# Altium PCB CubeSat Backplane.PcbDoc (part 2 of 4) (continued)
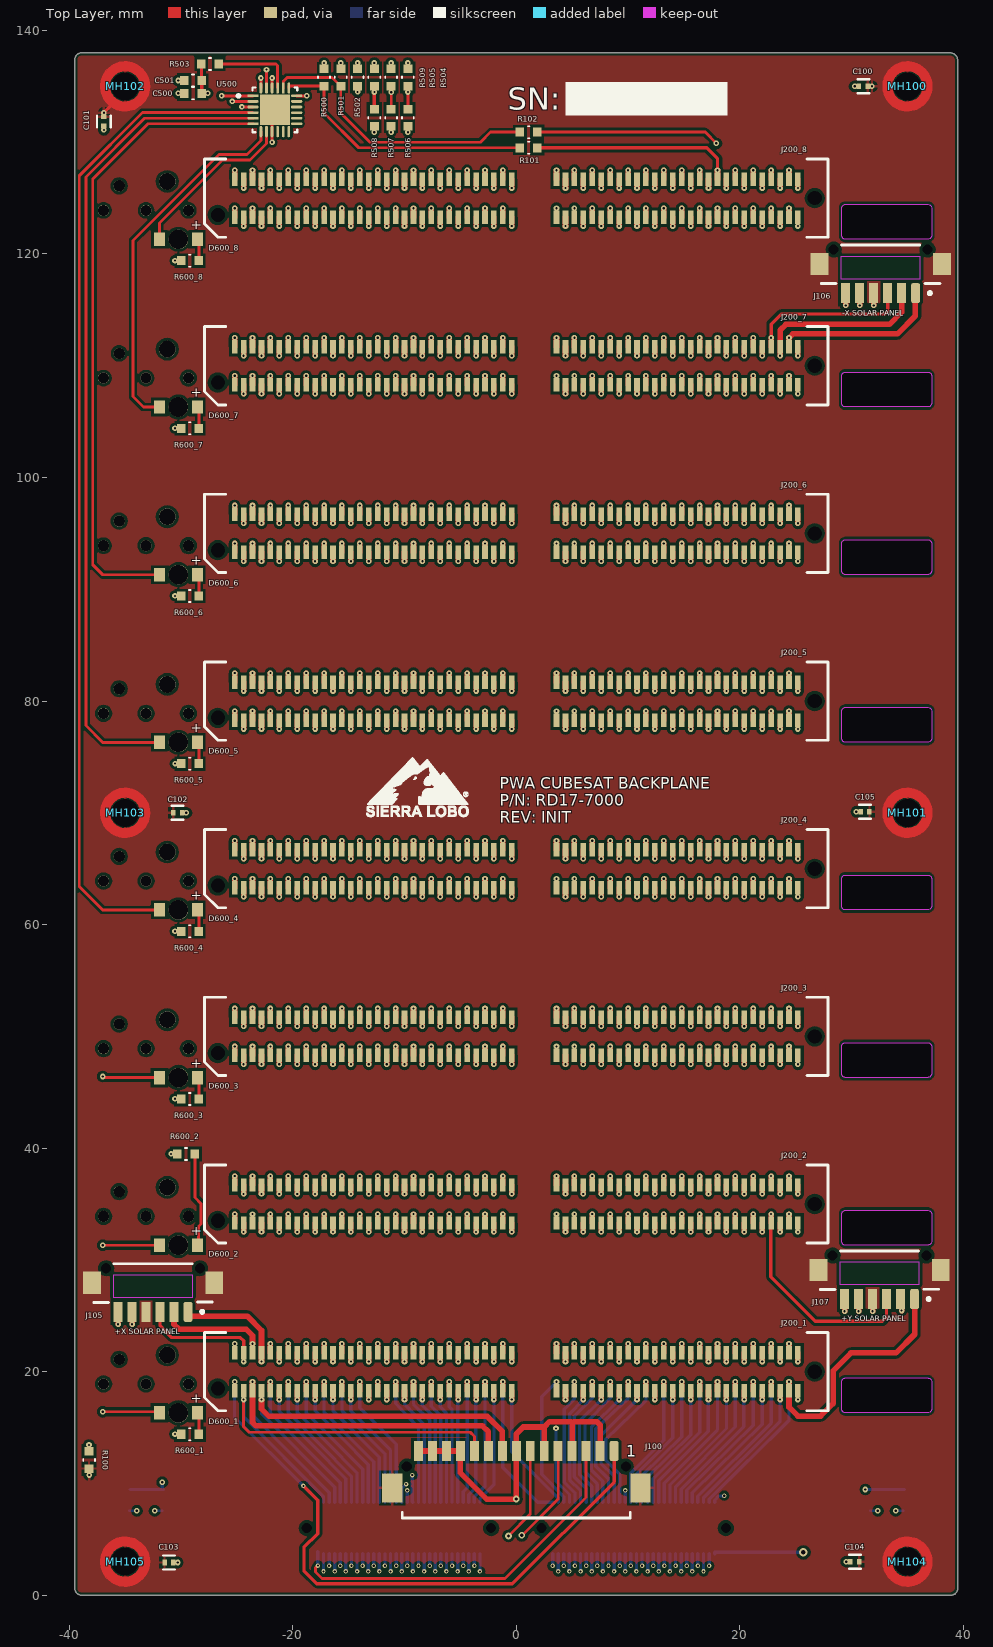
[diagram p0: Top Layer view]
## Nets (pads, with @x,y where several pads share a name; then routed paths per layer and width w, separated by ;. In a path a pad name is that pad's centre, name@x,y a point inside that pad or via, vN(x,y) a via of type N, cw(c..) or ccw(c..) an arc to the next point about the centre after c; other vN are vias at no path point) (continued)
  Bottom Layer w0.3: J301.29@10.25,8.3 10.25,10.9 13.2,13.85 v1(13.2,19.1)
BOT_ROW.H1-43: J200_1.93 J200_2.93 J200_3.93 J200_4.93 J200_5.93 J200_6.93 J200_7.93 J200_8.93 J301.33 | length 128.3
  Top Layer w0.5: J200_1.93@14.8,18.3 v1(14.8,19.1) ; J200_2.93@14.8,33.3 v1(14.8,34.1) ; J200_3.93@14.8,48.3 v1(14.8,49.1) ; J200_4.93@14.8,63.3 v1(14.8,64.1) ; J200_5.93@14.8,78.3 v1(14.8,79.1) ; J200_6.93@14.8,93.299 v1(14.8,94.099) ; J200_7.93@14.8,108.299 v1(14.8,109.099) ; J200_8.93@14.8,123.299 v1(14.8,124.099)
  H1-ODD w0.5: v1(14.8,19.1) 14.8,21.3 15.6,22.1 15.6,31.5 14.8,32.3 v1(14.8,34.1) 14.8,36.3 15.6,37.1 15.6,46.5 14.8,47.3 14.8,51.3 15.6,52.1 15.6,61.5 14.8,62.3 v1(14.8,64.1) 14.8,66.3 15.6,67.1 15.6,76.5 14.8,77.3 v1(14.8,79.1) 14.8,81.3 15.6,82.1 15.6,91.499 14.8,92.299 v1(14.8,94.099) 14.8,96.299 15.6,97.099 15.6,106.499 14.8,107.299 v1(14.8,109.099) 14.8,111.299 15.6,112.099 15.6,121.499 14.8,122.299 v1(14.8,124.099)
  Bottom Layer w0.3: J301.33@11.25,8.3 11.25,10.736 14.8,14.186 v1(14.8,19.1)
BOT_ROW.H1-45: J200_1.97 J200_2.97 J200_3.97 J200_4.97 J200_5.97 J200_6.97 J200_7.97 J200_8.97 J301.37 | length 128.6
  Top Layer w0.5: J200_1.97@16.4,18.3 v1(16.4,19.1) ; J200_2.97@16.4,33.3 v1(16.4,34.1) ; J200_3.97@16.4,48.3 v1(16.4,49.1) ; J200_4.97@16.4,63.3 v1(16.4,64.1) ; J200_5.97@16.4,78.3 v1(16.4,79.1) ; J200_6.97@16.4,93.299 v1(16.4,94.099) ; J200_7.97@16.4,108.299 v1(16.4,109.099) ; J200_8.97@16.4,123.299 v1(16.4,124.099)
  H1-ODD w0.5: v1(16.4,19.1) 16.4,21.3 17.2,22.1 17.2,31.5 16.4,32.3 16.4,36.3 17.2,37.1 17.2,46.5 16.4,47.3 16.4,51.3 17.2,52.1 17.2,61.5 16.4,62.3 16.4,66.3 17.2,67.1 17.2,76.475 17.2,76.5 16.4,77.3 16.4,81.3 17.2,82.1 17.2,91.499 16.4,92.299 16.4,96.299 17.2,97.099 17.2,106.499 16.4,107.299 16.4,111.299 17.2,112.099 17.2,121.499 16.4,122.299 v1(16.4,124.099)
  Bottom Layer w0.3: J301.37@12.25,8.3 12.25,10.425 16.4,14.575 v1(16.4,19.1)
BOT_ROW.H1-49: J200_1.105 J200_2.105 J200_3.105 J200_4.105 J200_5.105 J200_6.105 J200_7.105 J200_8.105 J301.45 R102.2 | length 152
  Top Layer w0.254: R102.2@1.872,130.9 16.9,130.9 v1(17.9,129.9)
  Top Layer w0.5: J200_3.105@19.6,48.3 v1(19.6,49.1) ; J200_1.105@19.6,18.3 v1(19.6,19.1) ; J200_2.105@19.6,33.3 v1(19.6,34.1) ; J200_4.105@19.6,63.3 v1(19.6,64.1) ; J200_5.105@19.6,78.3 v1(19.6,79.1) ; J200_6.105@19.6,93.299 v1(19.6,94.099) ; J200_7.105@19.6,108.299 v1(19.6,109.099) ; J200_8.105@19.6,123.299 v1(19.6,124.099)
  H1-ODD w0.254: v1(17.9,129.9) 18.8,129 18.8,127.1 19.6,126.3 v1(19.6,124.099)
  H1-ODD w0.5: v1(19.6,124.099) 19.6,122.299 20.4,121.499 20.4,112.099 19.6,111.299 19.6,107.299 20.4,106.499 20.4,97.099 19.6,96.299 19.6,92.299 20.4,91.499 ; v1(19.6,19.1) 19.6,21.3 20.4,22.1 20.4,31.5 19.6,32.3 19.6,36.3 20.4,37.1 20.4,46.5 19.6,47.3 19.6,51.3 20.4,52.1 20.4,61.5 19.6,62.3 19.6,66.3 20.4,67.1 20.4,76.5 19.6,77.3 19.6,81.3 20.4,82.1 20.4,91.499
  Bottom Layer w0.3: J301.45@14.25,8.3 14.25,9.7 19.6,15.05 v1(19.6,19.1)
BOT_ROW.H1-51: J200_1.109 J200_2.109 J200_3.109 J200_4.109 J200_5.109 J200_6.109 J200_7.109 J200_8.109 J301.49 | length 129.3
  Top Layer w0.5: J200_3.109@21.2,48.3 v1(21.2,49.1) ; J200_6.109@21.2,93.299 v1(21.2,94.099) ; J200_7.109@21.2,108.299 v1(21.2,109.099) ; J200_8.109@21.2,123.299 v1(21.2,124.099) ; J200_1.109@21.2,18.3 v1(21.2,19.1) ; J200_2.109@21.2,33.3 v1(21.2,34.1) ; J200_4.109@21.2,63.3 v1(21.2,64.1) ; J200_5.109@21.2,78.3 v1(21.2,79.1)
  H1-ODD w0.5: v1(21.2,124.099) 21.2,122.299 22,121.499 22,112.099 21.2,111.299 21.2,107.299 22,106.499 22,97.099 21.2,96.299 21.2,92.299 22,91.499 22,82.1 21.2,81.3 21.2,77.3 22,76.5 ; v1(21.2,19.1) 21.2,21.3 22,22.1 22,31.5 ; 22,31.5 21.2,32.3 21.2,36.3 22,37.1 22,46.5 21.2,47.3 21.2,51.3 22,52.1 22,61.5 21.2,62.3 21.2,66.3 22,67.1 22,76.5
  Bottom Layer w0.3: J301.49@15.25,8.3 15.25,9.37 21.2,15.22 v1(21.2,19.1)
BOT_ROW.H2-1: J200_1.11 J200_2.11 J200_3.11 J200_4.11 J200_5.11 J200_6.11 J200_7.11 J200_8.11 J300.11 | length 127.7
  Top Layer w0.5: v1(-21.2,47.5) J200_3.11@-21.2,48.3 ; v1(-21.2,17.5) J200_1.11@-21.2,18.3 ; v1(-21.2,32.5) J200_2.11@-21.2,33.3 ; v1(-21.2,62.5) J200_4.11@-21.2,63.3 ; v1(-21.2,77.5) J200_5.11@-21.2,78.3 ; v1(-21.2,92.499) J200_6.11@-21.2,93.299 ; v1(-21.2,107.499) J200_7.11@-21.2,108.299 ; v1(-21.2,122.499) J200_8.11@-21.2,123.299
  H2-EVEN w0.5: v1(-21.2,107.499) -21.2,97.099 -22,96.299 -22,95.275 -21.2,94.475 v1(-21.2,92.499) -21.2,82.1 -22,81.3 -22,80.275 -21.2,79.475 v1(-21.2,77.5) -21.2,67.1 -22,66.3 -22,65.275 -21.2,64.475 v1(-21.2,62.5) -21.2,52.1 -22,51.3 -22,50.275 -21.2,49.475 v1(-21.2,47.5) -21.2,37.1 -22,36.3 -22,35.275 -21.2,34.475 v1(-21.2,32.5) -21.2,22.1 -22,21.3 -22,20.275 -21.2,19.475 v1(-21.2,17.5) ; v1(-21.2,122.499) -21.2,112.099 -22,111.299 -22,110.275 -21.2,109.475 v1(-21.2,107.499)
  Bottom Layer w0.3: v1(-21.2,17.5) -21.2,16.465 -15.25,10.415 J300.11@-15.25,8.3
BOT_ROW.H2-3: J200_1.15 J200_2.15 J200_3.15 J200_4.15 J200_5.15 J200_6.15 J200_7.15 J200_8.15 J300.15 | length 127.4
  Top Layer w0.5: v1(-19.6,47.5) J200_3.15@-19.6,48.3 ; v1(-19.6,92.499) J200_6.15@-19.6,93.299 ; v1(-19.6,107.499) J200_7.15@-19.6,108.299 ; v1(-19.6,122.499) J200_8.15@-19.6,123.299 ; v1(-19.6,17.5) J200_1.15@-19.6,18.3 ; v1(-19.6,32.5) J200_2.15@-19.6,33.3 ; v1(-19.6,62.5) J200_4.15@-19.6,63.3 ; v1(-19.6,77.5) J200_5.15@-19.6,78.3
  H2-EVEN w0.5: v1(-19.6,32.5) -19.6,22.1 -20.4,21.3 -20.4,20.275 -19.6,19.475 v1(-19.6,17.5) ; v1(-19.6,122.499) -19.6,112.099 -20.4,111.299 -20.4,110.275 -19.6,109.475 v1(-19.6,107.499) -19.6,97.099 -20.4,96.299 -20.4,95.275 -19.6,94.475 v1(-19.6,92.499) -19.6,82.1 -20.4,81.3 -20.4,80.275 -19.6,79.475 v1(-19.6,77.5) -19.6,67.1 -20.4,66.3 -20.4,65.275 -19.6,64.475 v1(-19.6,62.5) -19.6,52.1 -20.4,51.3 -20.4,50.275 -19.6,49.475 v1(-19.6,47.5) -19.6,37.1 -20.4,36.3 -20.4,35.275 -19.6,34.475 v1(-19.6,32.5)
  Bottom Layer w0.3: v1(-19.6,17.5) -19.6,16.367 -14.25,10.917 J300.15@-14.25,8.3
BOT_ROW.H2-5: J200_1.19 J200_2.19 J200_3.19 J200_4.19 J200_5.19 J200_6.19 J200_7.19 J200_8.19 J300.19 | length 127.2
  Top Layer w0.5: v1(-18,17.5) J200_1.19@-18,18.3 ; v1(-18,47.5) J200_3.19@-18,48.3 ; v1(-18,77.5) J200_5.19@-18,78.3 ; v1(-18,92.499) J200_6.19@-18,93.299 ; v1(-18,107.499) J200_7.19@-18,108.299 ; v1(-18,122.499) J200_8.19@-18,123.299 ; v1(-18,32.5) J200_2.19@-18,33.3 ; v1(-18,62.5) J200_4.19@-18,63.3
  H2-EVEN w0.5: v1(-18,17.5) -18,19.475 -18.8,20.275 -18.8,21.3 -18,22.1 v1(-18,32.5) ; v1(-18,47.5) -18,37.1 -18.8,36.3 -18.8,35.275 -18,34.475 v1(-18,32.5) ; v1(-18,62.5) -18,52.1 -18.8,51.3 -18.8,50.275 -18,49.475 v1(-18,47.5) ; v1(-18,122.499) -18,112.099 -18.8,111.299 -18.8,110.275 -18,109.475 v1(-18,107.499) -18,97.099 -18.8,96.299 -18.8,95.275 -18,94.475 v1(-18,92.499) -18,82.1 -18.8,81.3 -18.8,80.275 -18,79.475 v1(-18,77.5) -18,67.1 -18.8,66.3 -18.8,65.275 -18,64.475 v1(-18,62.5)
  Bottom Layer w0.3: v1(-18,17.5) -18,16.51 -13.25,11.66 J300.19@-13.25,8.3
BOT_ROW.H2-7: J200_1.23 J200_2.23 J200_3.23 J200_4.23 J200_5.23 J200_6.23 J200_7.23 J200_8.23 J300.23 | length 127
  Top Layer w0.5: v1(-16.4,17.5) J200_1.23@-16.4,18.3 ; v1(-16.4,32.5) J200_2.23@-16.4,33.3 ; v1(-16.4,47.5) J200_3.23@-16.4,48.3 ; v1(-16.4,62.5) J200_4.23@-16.4,63.3 ; v1(-16.4,77.5) J200_5.23@-16.4,78.3 ; v1(-16.4,92.499) J200_6.23@-16.4,93.299 ; v1(-16.4,107.499) J200_7.23@-16.4,108.299 ; v1(-16.4,122.499) J200_8.23@-16.4,123.299
  H2-EVEN w0.5: v1(-16.4,17.5) -16.4,19.475 -17.2,20.275 -17.2,21.3 -16.4,22.1 v1(-16.4,32.5) -16.4,34.475 -17.2,35.275 -17.2,36.3 -16.4,37.1 v1(-16.4,47.5) -16.4,49.475 -17.2,50.275 -17.2,51.3 -16.4,52.1 v1(-16.4,62.5) -16.4,64.475 -17.2,65.275 -17.2,66.3 -16.4,67.1 v1(-16.4,77.5) -16.4,79.475 -17.2,80.275 -17.2,81.3 -16.4,82.1 v1(-16.4,92.499) -16.4,94.475 -17.2,95.275 -17.2,96.299 -16.4,97.099 -16.4,107.499 -16.4,109.475 -17.2,110.275 -17.2,111.299 -16.4,112.099 v1@-16.4,122.499
  Bottom Layer w0.3: v1(-16.4,17.5) -16.4,16.5 -12.25,12.35 J300.23@-12.25,8.3
BOT_ROW.H2-9: J200_1.27 J200_2.27 J200_3.27 J200_4.27 J200_5.27 J200_6.27 J200_7.27 J200_8.27 J300.27 | length 126.7
  Top Layer w0.5: v1(-14.8,17.5) J200_1.27@-14.8,18.3 ; v1(-14.8,32.5) J200_2.27@-14.8,33.3 ; v1(-14.8,47.5) J200_3.27@-14.8,48.3 ; v1(-14.8,62.5) J200_4.27@-14.8,63.3 ; v1(-14.8,77.5) J200_5.27@-14.8,78.3 ; v1@-14.8,92.499 J200_6.27@-14.8,93.299 ; v1@-14.8,107.499 J200_7.27@-14.8,108.299 ; v1@-14.8,122.499 J200_8.27@-14.8,123.299
  H2-EVEN w0.5: v1(-14.8,17.5) -14.8,19.475 -15.6,20.275 -15.6,21.3 -14.8,22.1 -14.8,32.5 -14.8,34.475 -15.6,35.275 -15.6,36.3 -14.8,37.1 -14.8,47.5 -14.8,49.475 -15.6,50.275 -15.6,51.3 -14.8,52.1 v1(-14.8,62.5) -14.8,64.475 -15.6,65.275 -15.6,66.3 -14.8,67.1 v1(-14.8,77.5) -14.8,79.475 -15.6,80.275 -15.6,81.3 -14.8,82.1 -14.8,92.499 -14.8,94.475 -15.6,95.275 -15.6,96.299 -14.8,97.099 -14.8,107.499 -14.8,109.475 -15.6,110.275 -15.6,111.299 -14.8,112.099 v1@-14.8,122.499
  Bottom Layer w0.3: v1(-14.8,17.5) -14.8,16.5 -11.25,12.95 J300.27@-11.25,8.3
  other v1: -14.8,92.499 -14.8,107.499 -14.8,122.499
BOT_ROW.H2-11: J200_1.31 J200_2.31 J200_3.31 J200_4.31 J200_5.31 J200_6.31 J200_7.31 J200_8.31 J300.31 | length 127.1
  Top Layer w0.5: v1@-13.2,17.5 J200_1.31@-13.2,18.3 ; v1(-13.2,32.5) J200_2.31@-13.2,33.3 ; v1(-13.2,47.5) J200_3.31@-13.2,48.3 ; v1(-13.2,62.5) J200_4.31@-13.2,63.3 ; v1@-13.2,77.5 J200_5.31@-13.2,78.3 ; v1(-13.2,92.499) J200_6.31@-13.2,93.299 ; v1(-13.2,107.499) J200_7.31@-13.2,108.299 ; v1(-13.2,122.499) J200_8.31@-13.2,123.299
  H2-ODD w0.3: v1(-13.2,17.5) -13.2,16.95 -12.525,16.275 -12.525,12.025 -10.446,9.946 v2(-9.857,9.946)
  H2-EVEN w0.5: v1@-13.2,17.5 -13.2,19.475 -14,20.275 -14,21.3 -13.2,22.1 -13.2,32.5 -13.2,34.475 -14,35.275 -14,36.3 -13.2,37.1 v1(-13.2,47.5) -13.2,49.475 -14,50.275 -14,51.3 -13.2,52.1 -13.2,62.5 -13.2,64.475 -14,65.275 -14,66.3 -13.2,67.1 -13.2,77.5 -13.2,79.475 -14,80.275 -14,81.3 -13.2,82.1 v1(-13.2,92.499) -13.2,94.475 -14,95.275 -14,96.299 -13.2,97.099 v1(-13.2,107.499) -13.2,109.475 -14,110.275 -14,111.299 -13.2,112.099 v1(-13.2,122.499)
  Bottom Layer w0.3: J300.31@-10.25,8.3 -10.25,9.553 v2(-9.857,9.946)
  other v1: -13.2,77.5
BOT_ROW.H2-13: J200_1.35 J200_2.35 J200_3.35 J200_4.35 J200_5.35 J200_6.35 J200_7.35 J200_8.35 J300.35 | length 126.6
  Top Layer w0.5: v1(-11.6,17.5) J200_1.35@-11.6,18.3 ; v1(-11.6,32.5) J200_2.35@-11.6,33.3 ; v1(-11.6,47.5) J200_3.35@-11.6,48.3 ; v1(-11.6,62.5) J200_4.35@-11.6,63.3 ; v1(-11.6,77.5) J200_5.35@-11.6,78.3 ; v1(-11.6,92.499) J200_6.35@-11.6,93.299 ; v1(-11.6,107.499) J200_7.35@-11.6,108.299 ; v1(-11.6,122.499) J200_8.35@-11.6,123.299
  H2-ODD w0.3: v1(-11.6,17.5) -11.567,17.468 -11.567,17.142 -10.8,16.375 -10.8,14.225 -8.85,12.275 -8.85,11.375 -9.3,10.925 v2(-9.3,10.75)
  H2-EVEN w0.5: v1(-11.6,107.499) -11.6,97.099 -12.4,96.299 -12.4,95.275 -11.6,94.475 v1(-11.6,92.499) -11.6,82.1 -12.4,81.3 -12.4,80.275 -11.6,79.475 v1(-11.6,77.5) -11.6,67.1 -12.4,66.3 -12.4,65.275 -11.6,64.475 v1(-11.6,62.5) -11.6,52.1 -12.4,51.3 -12.4,50.275 -11.6,49.475 v1(-11.6,47.5) -11.6,37.1 -12.4,36.3 -12.4,35.275 -11.6,34.475 v1(-11.6,32.5) -11.6,22.1 -12.4,21.3 -12.4,20.275 -11.6,19.475 v1(-11.6,17.5) ; v1(-11.6,122.499) -11.6,112.099 -12.4,111.299 -12.4,110.275 -11.6,109.475 v1(-11.6,107.499)
  Bottom Layer w0.3: v2(-9.3,10.75) -9.3,8.35 J300.35@-9.25,8.3
BOT_ROW.H2-15: J200_1.39 J200_2.39 J200_3.39 J200_4.39 J200_5.39 J200_6.39 J200_7.39 J200_8.39 J300.39 | length 125.9
  Top Layer w0.5: v1(-10,47.5) J200_3.39@-10,48.3 ; v1(-10,92.499) J200_6.39@-10,93.299 ; v1(-10,107.499) J200_7.39@-10,108.299 ; v1(-10,122.499) J200_8.39@-10,123.299 ; v1(-10,17.5) J200_1.39@-10,18.3 ; v1(-10,32.5) J200_2.39@-10,33.3 ; v1(-10,62.5) J200_4.39@-10,63.3 ; v1(-10,77.5) J200_5.39@-10,78.3
  H2-EVEN w0.5: v1(-10,32.5) -10,22.1 -10.8,21.3 -10.8,20.275 -10,19.475 v1(-10,17.5) ; v1(-10,122.499) -10,112.099 -10.8,111.299 -10.8,110.275 -10,109.475 v1(-10,107.499) -10,97.099 -10.8,96.299 -10.8,95.275 -10,94.475 v1(-10,92.499) -10,82.1 -10.8,81.3 -10.8,80.275 -10,79.475 v1(-10,77.5) -10,67.1 -10.8,66.3 -10.8,65.275 -10,64.475 v1(-10,62.5) -10,52.1 -10.8,51.3 -10.8,50.275 -10,49.475 v1(-10,47.5) -10,37.1 -10.8,36.3 -10.8,35.275 -10,34.475 v1(-10,32.5)
  Bottom Layer w0.3: v1(-10,17.5) -10,17.1 -8.25,15.25 J300.39@-8.25,8.3
BOT_ROW.H2-17: J200_1.43 J200_2.43 J200_3.43 J200_4.43 J200_5.43 J200_6.43 J200_7.43 J200_8.43 J300.43 | length 125.7
  Top Layer w0.5: v1(-8.4,17.5) J200_1.43@-8.4,18.3 ; v1(-8.4,47.5) J200_3.43@-8.4,48.3 ; v1(-8.4,77.5) J200_5.43@-8.4,78.3 ; v1(-8.4,92.499) J200_6.43@-8.4,93.299 ; v1(-8.4,107.499) J200_7.43@-8.4,108.299 ; v1(-8.4,122.499) J200_8.43@-8.4,123.299 ; v1(-8.4,32.5) J200_2.43@-8.4,33.3 ; v1(-8.4,62.5) J200_4.43@-8.4,63.3
  H2-EVEN w0.5: v1(-8.4,17.5) -8.4,19.475 -9.2,20.275 -9.2,21.3 -8.4,22.1 v1(-8.4,32.5) ; v1(-8.4,47.5) -8.4,37.1 -9.2,36.3 -9.2,35.275 -8.4,34.475 v1(-8.4,32.5) ; v1(-8.4,62.5) -8.4,52.1 -9.2,51.3 -9.2,50.275 -8.4,49.475 v1(-8.4,47.5) ; v1(-8.4,122.499) -8.4,112.099 -9.2,111.299 -9.2,110.275 -8.4,109.475 v1(-8.4,107.499) -8.4,97.099 -9.2,96.299 -9.2,95.275 -8.4,94.475 v1(-8.4,92.499) -8.4,82.1 -9.2,81.3 -9.2,80.275 -8.4,79.475 v1(-8.4,77.5) -8.4,67.1 -9.2,66.3 -9.2,65.275 -8.4,64.475 v1(-8.4,62.5)
  Bottom Layer w0.3: v1(-8.4,17.5) -8.4,17 -7.25,15.85 J300.43@-7.25,8.3
BOT_ROW.H2-19: J200_1.47 J200_2.47 J200_3.47 J200_4.47 J200_5.47 J200_6.47 J200_7.47 J200_8.47 J300.47 | length 125.5
  Top Layer w0.5: v1(-6.8,17.5) J200_1.47@-6.8,18.3 ; v1(-6.8,32.5) J200_2.47@-6.8,33.3 ; v1(-6.8,47.5) J200_3.47@-6.8,48.3 ; v1(-6.8,62.5) J200_4.47@-6.8,63.3 ; v1(-6.8,77.5) J200_5.47@-6.8,78.3 ; v1(-6.8,92.499) J200_6.47@-6.8,93.299 ; v1(-6.8,107.499) J200_7.47@-6.8,108.299 ; v1(-6.8,122.499) J200_8.47@-6.8,123.299
  H2-EVEN w0.5: v1(-6.8,17.5) -6.8,19.475 -7.6,20.275 -7.6,21.3 -6.8,22.1 v1(-6.8,32.5) -6.8,34.475 -7.6,35.275 -7.6,36.3 -6.8,37.1 v1(-6.8,47.5) -6.8,49.475 -7.6,50.275 -7.6,51.3 -6.8,52.1 v1(-6.8,62.5) -6.8,64.475 -7.6,65.275 -7.6,66.3 -6.8,67.1 v1(-6.8,77.5) -6.8,79.475 -7.6,80.275 -7.6,81.3 -6.8,82.1 v1(-6.8,92.499) -6.8,94.475 -7.6,95.275 -7.6,96.299 -6.8,97.099 v1(-6.8,107.499) -6.8,109.475 -7.6,110.275 -7.6,111.299 -6.8,112.099 v1(-6.8,122.499)
  Bottom Layer w0.3: v1(-6.8,17.5) -6.8,16.85 -6.25,16.3 J300.47@-6.25,8.3
BOT_ROW.H2-21: J200_1.51 J200_2.51 J200_3.51 J200_4.51 J200_5.51 J200_6.51 J200_7.51 J200_8.51 J300.51 | length 125.3
  Top Layer w0.5: v1(-5.2,17.5) J200_1.51@-5.2,18.3 ; v1(-5.2,32.5) J200_2.51@-5.2,33.3 ; v1(-5.2,47.5) J200_3.51@-5.2,48.3 ; v1(-5.2,62.5) J200_4.51@-5.2,63.3 ; v1(-5.2,77.5) J200_5.51@-5.2,78.3 ; v1(-5.2,92.499) J200_6.51@-5.2,93.299 ; v1(-5.2,107.499) J200_7.51@-5.2,108.299 ; v1(-5.2,122.499) J200_8.51@-5.2,123.299
  H2-EVEN w0.5: v1(-5.2,17.5) -5.2,19.475 -6,20.275 -6,21.3 -5.2,22.1 v1(-5.2,32.5) -5.2,34.475 -6,35.275 -6,36.3 -5.2,37.1 v1(-5.2,47.5) -5.2,49.475 -6,50.275 -6,51.3 -5.2,52.1 v1(-5.2,62.5) -5.2,64.475 -6,65.275 -6,66.3 -5.2,67.1 v1(-5.2,77.5) -5.2,79.475 -6,80.275 -6,81.3 -5.2,82.1 v1(-5.2,92.499) -5.2,94.475 -6,95.275 -6,96.299 -5.2,97.099 v1(-5.2,107.499) -5.2,109.475 -6,110.275 -6,111.299 -5.2,112.099 v1(-5.2,122.499)
  Bottom Layer w0.3: J300.51@-5.25,8.3 v1@-5.25,17.396 ; v1(-5.2,17.5) -5.2,17.446 v1@-5.15,17.396
BOT_ROW.H2-23: J200_1.55 J200_2.55 J200_3.55 J200_4.55 J200_5.55 J200_6.55 J200_7.55 J200_8.55 J300.55 | length 125.5
  Top Layer w0.5: v1(-3.6,17.5) J200_1.55@-3.6,18.3 ; v1(-3.6,32.5) J200_2.55@-3.6,33.3 ; v1(-3.6,47.5) J200_3.55@-3.6,48.3 ; v1(-3.6,62.5) J200_4.55@-3.6,63.3 ; v1(-3.6,77.5) J200_5.55@-3.6,78.3 ; v1(-3.6,92.499) J200_6.55@-3.6,93.299 ; v1(-3.6,107.499) J200_7.55@-3.6,108.299 ; v1(-3.6,122.499) J200_8.55@-3.6,123.299
  H2-EVEN w0.5: v1(-3.6,17.5) -3.6,19.475 -4.4,20.275 -4.4,21.3 -3.6,22.1 v1(-3.6,32.5) -3.6,34.475 -4.4,35.275 -4.4,36.3 -3.6,37.1 v1(-3.6,47.5) -3.6,49.475 -4.4,50.275 -4.4,51.3 -3.6,52.1 v1(-3.6,62.5) -3.6,64.475 -4.4,65.275 -4.4,66.3 -3.6,67.1 v1(-3.6,77.5) -3.6,79.475 -4.4,80.275 -4.4,81.3 -3.6,82.1 v1(-3.6,92.499) -3.6,94.475 -4.4,95.275 -4.4,96.299 -3.6,97.099 v1(-3.6,107.499) -3.6,109.475 -4.4,110.275 -4.4,111.299 -3.6,112.099 v1(-3.6,122.499)
  Bottom Layer w0.3: J300.55@-4.25,8.3 -4.25,9 -3.625,9.625 -3.625,17.475 v1(-3.6,17.5)
BOT_ROW.H2-25: J200_1.59 J200_2.59 J200_3.59 J200_4.59 J200_5.59 J200_6.59 J200_7.59 J200_8.59 J300.59 | length 125.8
  Top Layer w0.5: v1(-2,17.5) J200_1.59@-2,18.3 ; v1(-2,32.5) J200_2.59@-2,33.3 ; v1(-2,47.5) J200_3.59@-2,48.3 ; v1(-2,62.5) J200_4.59@-2,63.3 ; v1(-2,77.5) J200_5.59@-2,78.3 ; v1(-2,92.499) J200_6.59@-2,93.299 ; v1(-2,107.499) J200_7.59@-2,108.299 ; v1(-2,122.499) J200_8.59@-2,123.299
  H2-EVEN w0.5: v1(-2,17.5) -2,19.475 -2.8,20.275 -2.8,21.3 -2,22.1 v1(-2,32.5) -2,34.475 -2.8,35.275 -2.8,36.3 -2,37.1 v1(-2,47.5) -2,49.475 -2.8,50.275 -2.8,51.3 -2,52.1 v1(-2,62.5) -2,64.475 -2.8,65.275 -2.8,66.3 -2,67.1 v1(-2,77.5) -2,79.475 -2.8,80.275 -2.8,81.3 -2,82.1 v1(-2,92.499) -2,94.475 -2.8,95.275 -2.8,96.299 -2,97.099 v1(-2,107.499) -2,109.475 -2.8,110.275 -2.8,111.299 -2,112.099 v1(-2,122.499)
  Bottom Layer w0.3: J300.59@-3.25,8.3 -3.25,8.625 -2,9.875 v1(-2,17.5)
BOT_ROW.H2-27: J200_1.63 J200_2.63 J200_3.63 J200_4.63 J200_5.63 J200_6.63 J200_7.63 J200_8.63 J301.3 | length 127
  Top Layer w0.5: v1(-0.4,47.5) J200_3.63@-0.4,48.3 ; v1(-0.4,17.5) J200_1.63@-0.4,18.3 ; v1(-0.4,32.5) J200_2.63@-0.4,33.3 ; v1(-0.4,62.5) J200_4.63@-0.4,63.3 ; v1(-0.4,77.5) J200_5.63@-0.4,78.3 ; v1(-0.4,92.499) J200_6.63@-0.4,93.299 ; v1(-0.4,107.499) J200_7.63@-0.4,108.299 ; v1(-0.4,122.499) J200_8.63@-0.4,123.299
  H2-EVEN w0.5: v1(-0.4,107.499) -0.4,97.099 -1.2,96.299 -1.2,95.275 -0.4,94.475 v1(-0.4,92.499) -0.4,82.1 -1.2,81.3 -1.2,80.275 -0.4,79.475 v1(-0.4,77.5) -0.4,67.1 -1.2,66.3 -1.2,65.275 -0.4,64.475 v1(-0.4,62.5) -0.4,52.1 -1.2,51.3 -1.2,50.275 -0.4,49.475 v1(-0.4,47.5) -0.4,37.1 -1.2,36.3 -1.2,35.275 -0.4,34.475 v1(-0.4,32.5) -0.4,22.1 -1.2,21.3 -1.2,20.275 -0.4,19.475 v1(-0.4,17.5) ; v1(-0.4,122.499) -0.4,112.099 -1.2,111.299 -1.2,110.275 -0.4,109.475 v1(-0.4,107.499)
  Bottom Layer w0.3: v1(-0.4,17.5) -0.4,12.825 3.75,8.675 J301.3@3.75,8.3
BOT_ROW.H2-33: J200_1.75 J200_2.75 J200_3.75 J200_4.75 J200_5.75 J200_6.75 J200_7.75 J200_8.75 J301.15 | length 126.5
  Top Layer w0.5: v1(7.6,17.5) J200_1.75@7.6,18.3 ; v1@7.6,32.5 J200_2.75@7.6,33.3 ; v1(7.6,47.5) J200_3.75@7.6,48.3 ; v1@7.6,62.5 J200_4.75@7.6,63.3 ; v1(7.6,77.5) J200_5.75@7.6,78.3 ; v1(7.6,92.499) J200_6.75@7.6,93.299 ; v1(7.6,107.499) J200_7.75@7.6,108.299 ; v1(7.6,122.499) J200_8.75@7.6,123.299
  H2-EVEN w0.5: v1(7.6,17.5) 7.6,19.475 6.8,20.275 6.8,21.3 7.6,22.1 7.6,32.5 7.6,34.475 6.8,35.275 6.8,36.3 7.6,37.1 v1(7.6,47.5) 7.6,49.475 6.8,50.275 6.8,51.3 7.6,52.1 7.6,62.5 7.6,64.475 6.8,65.275 6.8,66.3 7.6,67.1 v1(7.6,77.5) 7.6,79.475 6.8,80.275 6.8,81.3 7.6,82.1 v1(7.6,92.499) 7.6,94.475 6.8,95.275 6.8,96.299 7.6,97.099 v1(7.6,107.499) 7.6,109.475 6.8,110.275 6.8,111.299 7.6,112.099 v1(7.6,122.499)
  Bottom Layer w0.3: J301.15@6.75,8.3 6.75,9.725 5.65,10.825 5.65,15.55 v1(7.6,17.5)
  other v1: 7.6,32.5 7.6,62.5
BOT_ROW.H2-35: J200_1.79 J200_2.79 J200_3.79 J200_4.79 J200_5.79 J200_6.79 J200_7.79 J200_8.79 J301.19 | length 126.7
  Top Layer w0.5: v1(9.2,47.5) J200_3.79@9.2,48.3 ; v1(9.2,17.5) J200_1.79@9.2,18.3 ; v1(9.2,32.5) J200_2.79@9.2,33.3 ; v1(9.2,62.5) J200_4.79@9.2,63.3 ; v1(9.2,77.5) J200_5.79@9.2,78.3 ; v1(9.2,92.499) J200_6.79@9.2,93.299 ; v1(9.2,107.499) J200_7.79@9.2,108.299 ; v1(9.2,122.499) J200_8.79@9.2,123.299
  H2-EVEN w0.5: v1(9.2,107.499) 9.2,97.099 8.4,96.299 8.4,95.275 9.2,94.475 v1(9.2,92.499) 9.2,82.1 8.4,81.3 8.4,80.275 9.2,79.475 v1(9.2,77.5) 9.2,67.1 8.4,66.3 8.4,65.275 9.2,64.475 v1(9.2,62.5) 9.2,52.1 8.4,51.3 8.4,50.275 9.2,49.475 v1(9.2,47.5) 9.2,37.1 8.4,36.3 8.4,35.275 9.2,34.475 v1(9.2,32.5) 9.2,22.1 8.4,21.3 8.4,20.275 9.2,19.475 v1(9.2,17.5) ; v1(9.2,122.499) 9.2,112.099 8.4,111.299 8.4,110.275 9.2,109.475 v1(9.2,107.499)
  Bottom Layer w0.3: J301.19@7.75,8.3 7.75,10.175 6.725,11.2 6.725,15.025 v1(9.2,17.5)
BOT_ROW.H2-37: J200_1.83 J200_2.83 J200_3.83 J200_4.83 J200_5.83 J200_6.83 J200_7.83 J200_8.83 J301.23 | length 127.1
  Top Layer w0.5: v1(10.8,47.5) J200_3.83@10.8,48.3 ; v1(10.8,92.499) J200_6.83@10.8,93.299 ; v1(10.8,107.499) J200_7.83@10.8,108.299 ; v1(10.8,122.499) J200_8.83@10.8,123.299 ; v1(10.8,17.5) J200_1.83@10.8,18.3 ; v1(10.8,32.5) J200_2.83@10.8,33.3 ; v1(10.8,62.5) J200_4.83@10.8,63.3 ; v1(10.8,77.5) J200_5.83@10.8,78.3
  H2-EVEN w0.5: v1(10.8,32.5) 10.8,22.1 10,21.3 10,20.275 10.8,19.475 v1(10.8,17.5) ; v1(10.8,122.499) 10.8,112.099 10,111.299 10,110.275 10.8,109.475 v1(10.8,107.499) 10.8,97.099 10,96.299 10,95.275 10.8,94.475 v1(10.8,92.499) 10.8,82.1 10,81.3 10,80.275 10.8,79.475 v1(10.8,77.5) 10.8,67.1 10,66.3 10,65.275 10.8,64.475 v1(10.8,62.5) 10.8,52.1 10,51.3 10,50.275 10.8,49.475 v1(10.8,47.5) 10.8,37.1 10,36.3 10,35.275 10.8,34.475 v1(10.8,32.5)
  Bottom Layer w0.3: J301.23@8.75,8.3 8.75,10.65 7.575,11.825 7.575,14.275 v1(10.8,17.5)
BOT_ROW.H2-39: J200_1.87 J200_2.87 J200_3.87 J200_4.87 J200_5.87 J200_6.87 J200_7.87 J200_8.87 J301.27 | length 126.3
  Top Layer w0.5: v1(12.4,17.5) J200_1.87@12.4,18.3 ; v1(12.4,47.5) J200_3.87@12.4,48.3 ; v1(12.4,77.5) J200_5.87@12.4,78.3 ; v1(12.4,92.499) J200_6.87@12.4,93.299 ; v1(12.4,107.499) J200_7.87@12.4,108.299 ; v1(12.4,122.499) J200_8.87@12.4,123.299 ; v1(12.4,32.5) J200_2.87@12.4,33.3 ; v1(12.4,62.5) J200_4.87@12.4,63.3
  H1-EVEN w0.254: v2(9.75,9.375) 12.4,12.025 v1(12.4,17.5)
  H2-EVEN w0.5: v1(12.4,17.5) 12.4,19.475 11.6,20.275 11.6,21.3 12.4,22.1 v1(12.4,32.5) ; v1(12.4,47.5) 12.4,37.1 11.6,36.3 11.6,35.275 12.4,34.475 v1(12.4,32.5) ; v1(12.4,62.5) 12.4,52.1 11.6,51.3 11.6,50.275 12.4,49.475 v1(12.4,47.5) ; v1(12.4,122.499) 12.4,112.099 11.6,111.299 11.6,110.275 12.4,109.475 v1(12.4,107.499) 12.4,97.099 11.6,96.299 11.6,95.275 12.4,94.475 v1(12.4,92.499) 12.4,82.1 11.6,81.3 11.6,80.275 12.4,79.475 v1(12.4,77.5) 12.4,67.1 11.6,66.3 11.6,65.275 12.4,64.475 v1(12.4,62.5)
  Bottom Layer w0.3: J301.27@9.75,8.3 v2(9.75,9.375)